# Altium PCB dcb_v2.PcbDoc (part 1 of 2)
Units mm, origin at the board's own origin, x right, y up, seen from the top; angles counter-clockwise.
Board outline 175 x 60 mm, 4 copper layers (Top Layer, Int1 (GND), Int2 (PWR), Bottom Layer), stack 1.369 mm thick; 165 components, 98 nets, 603 pads, 478 vias.
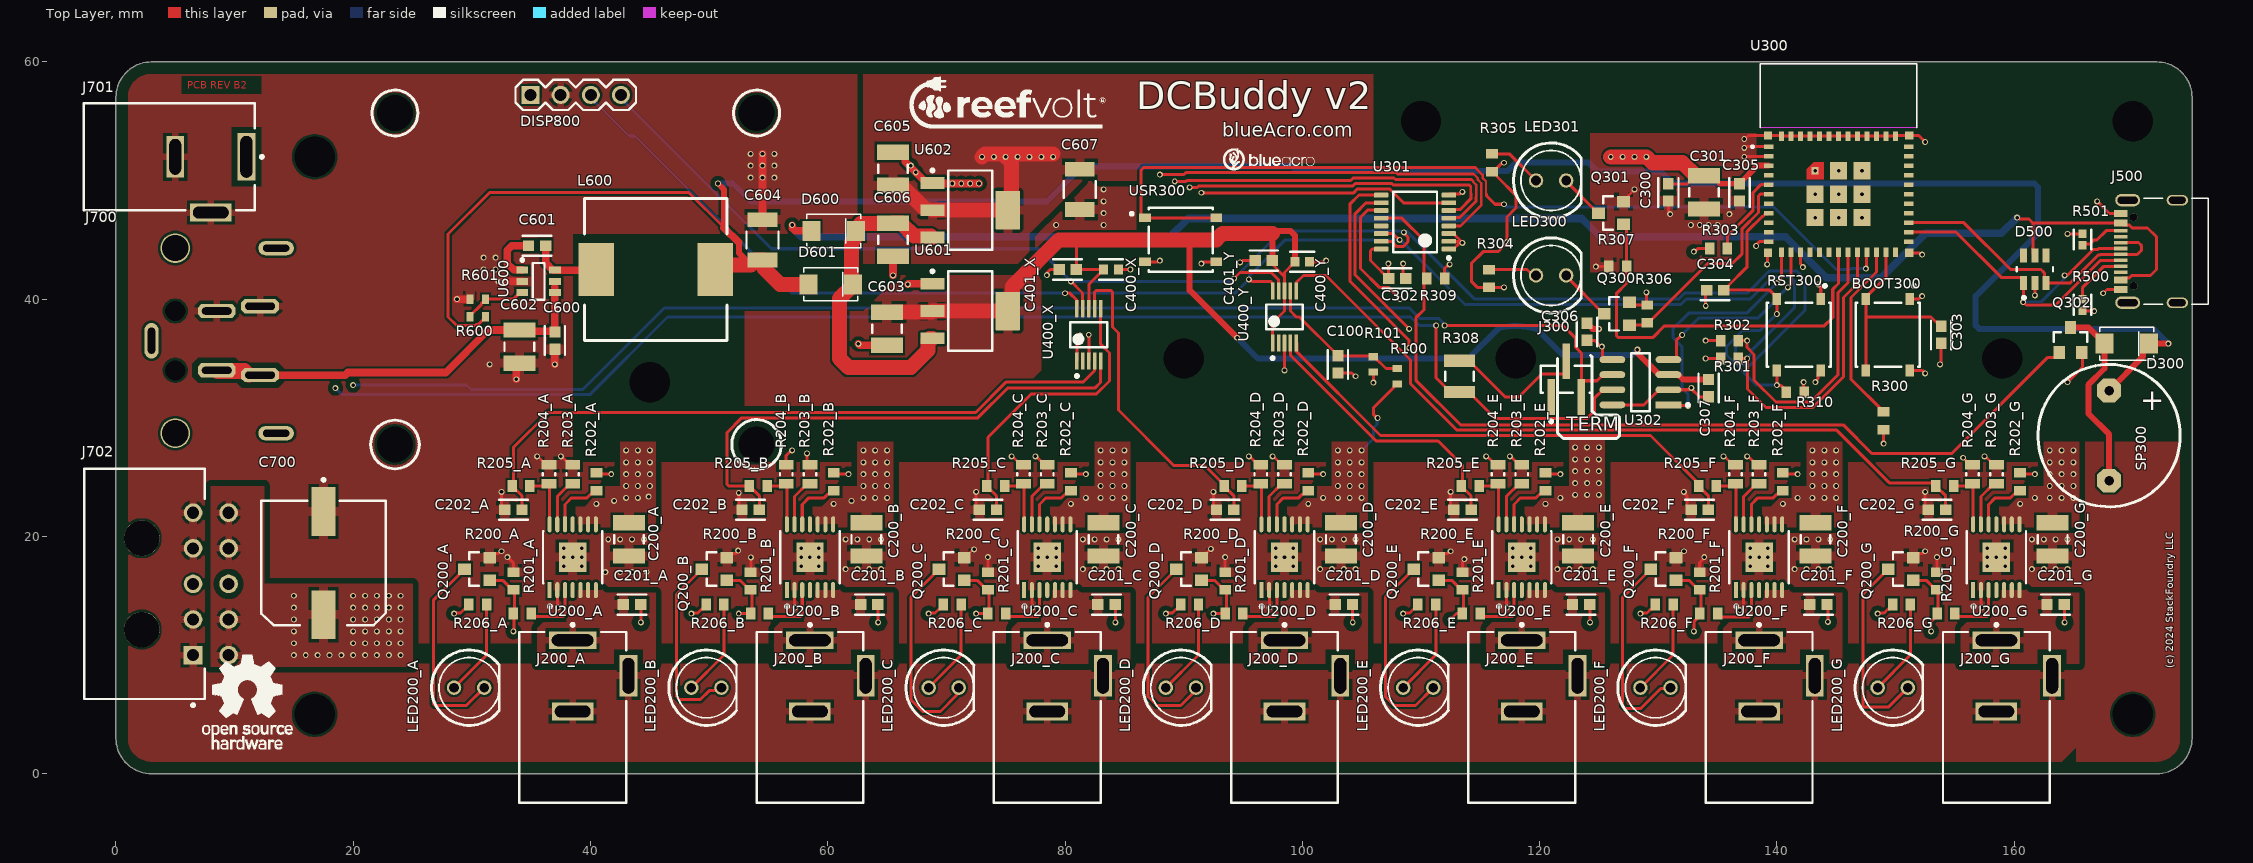
[diagram p0: Top Layer view]
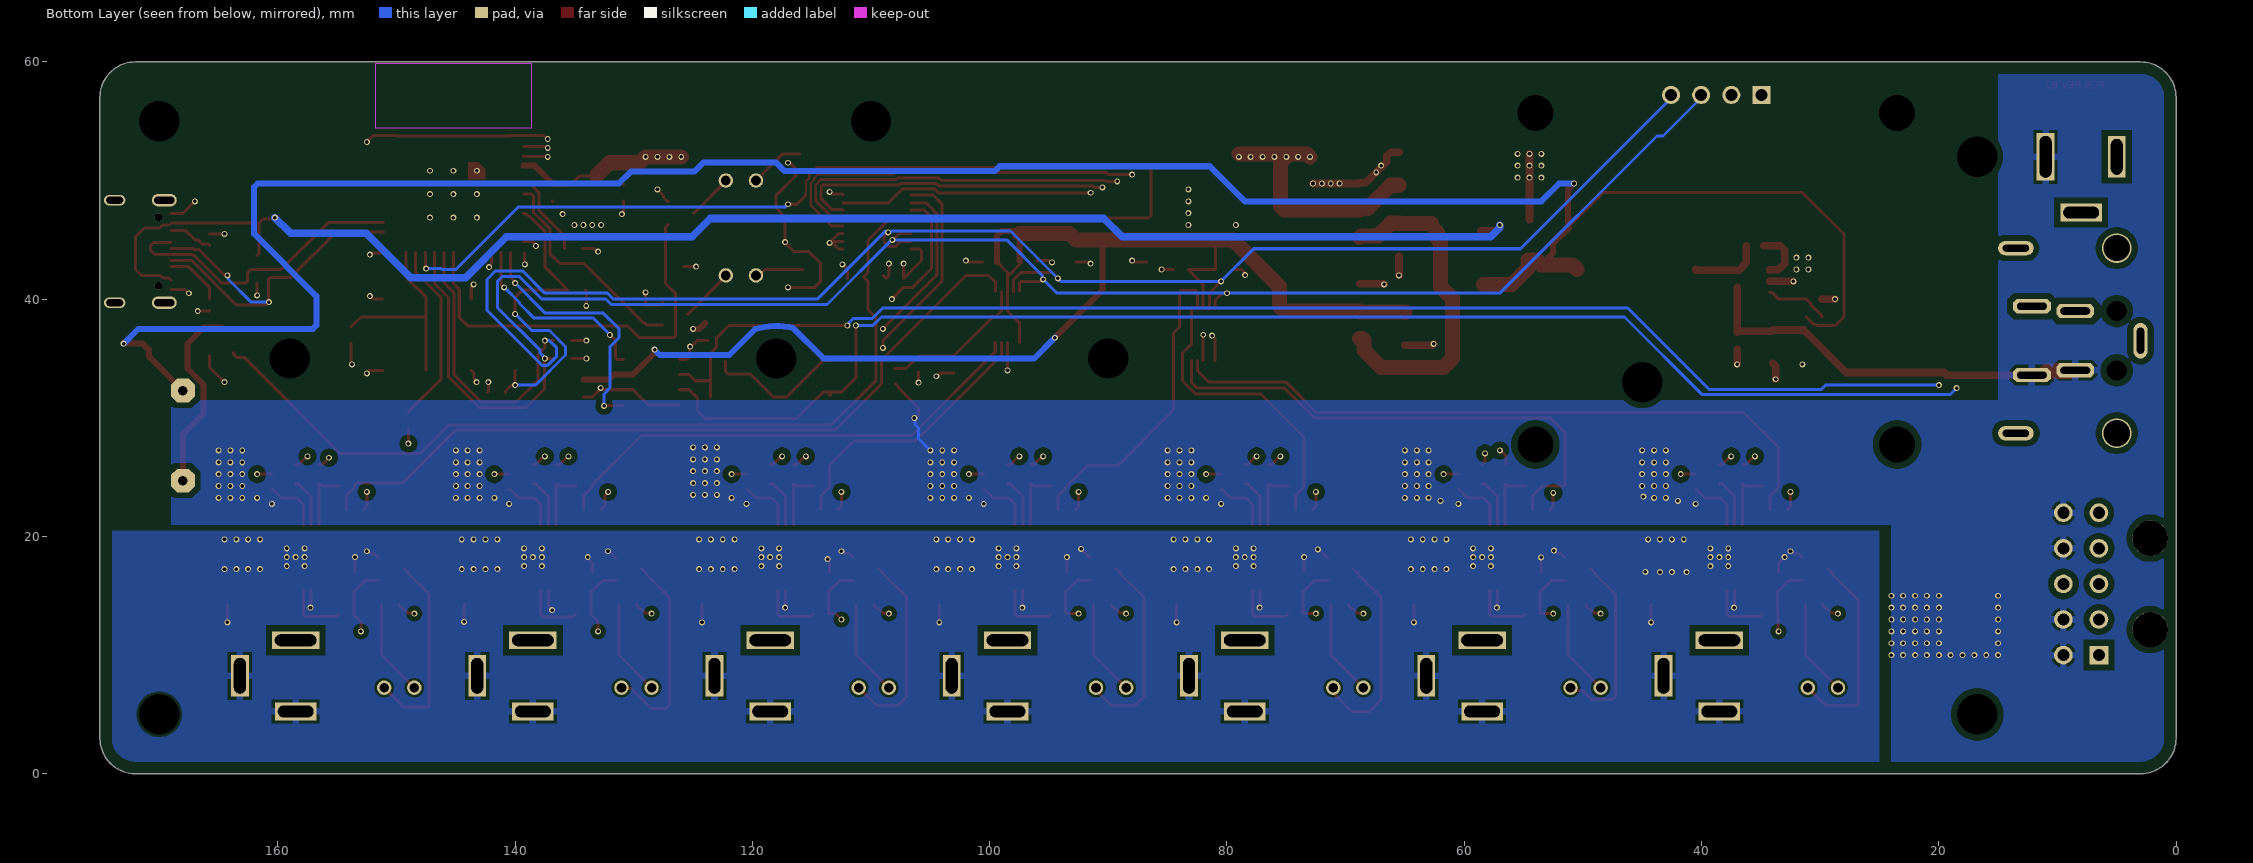
[diagram p1: Bottom Layer view, seen from below]
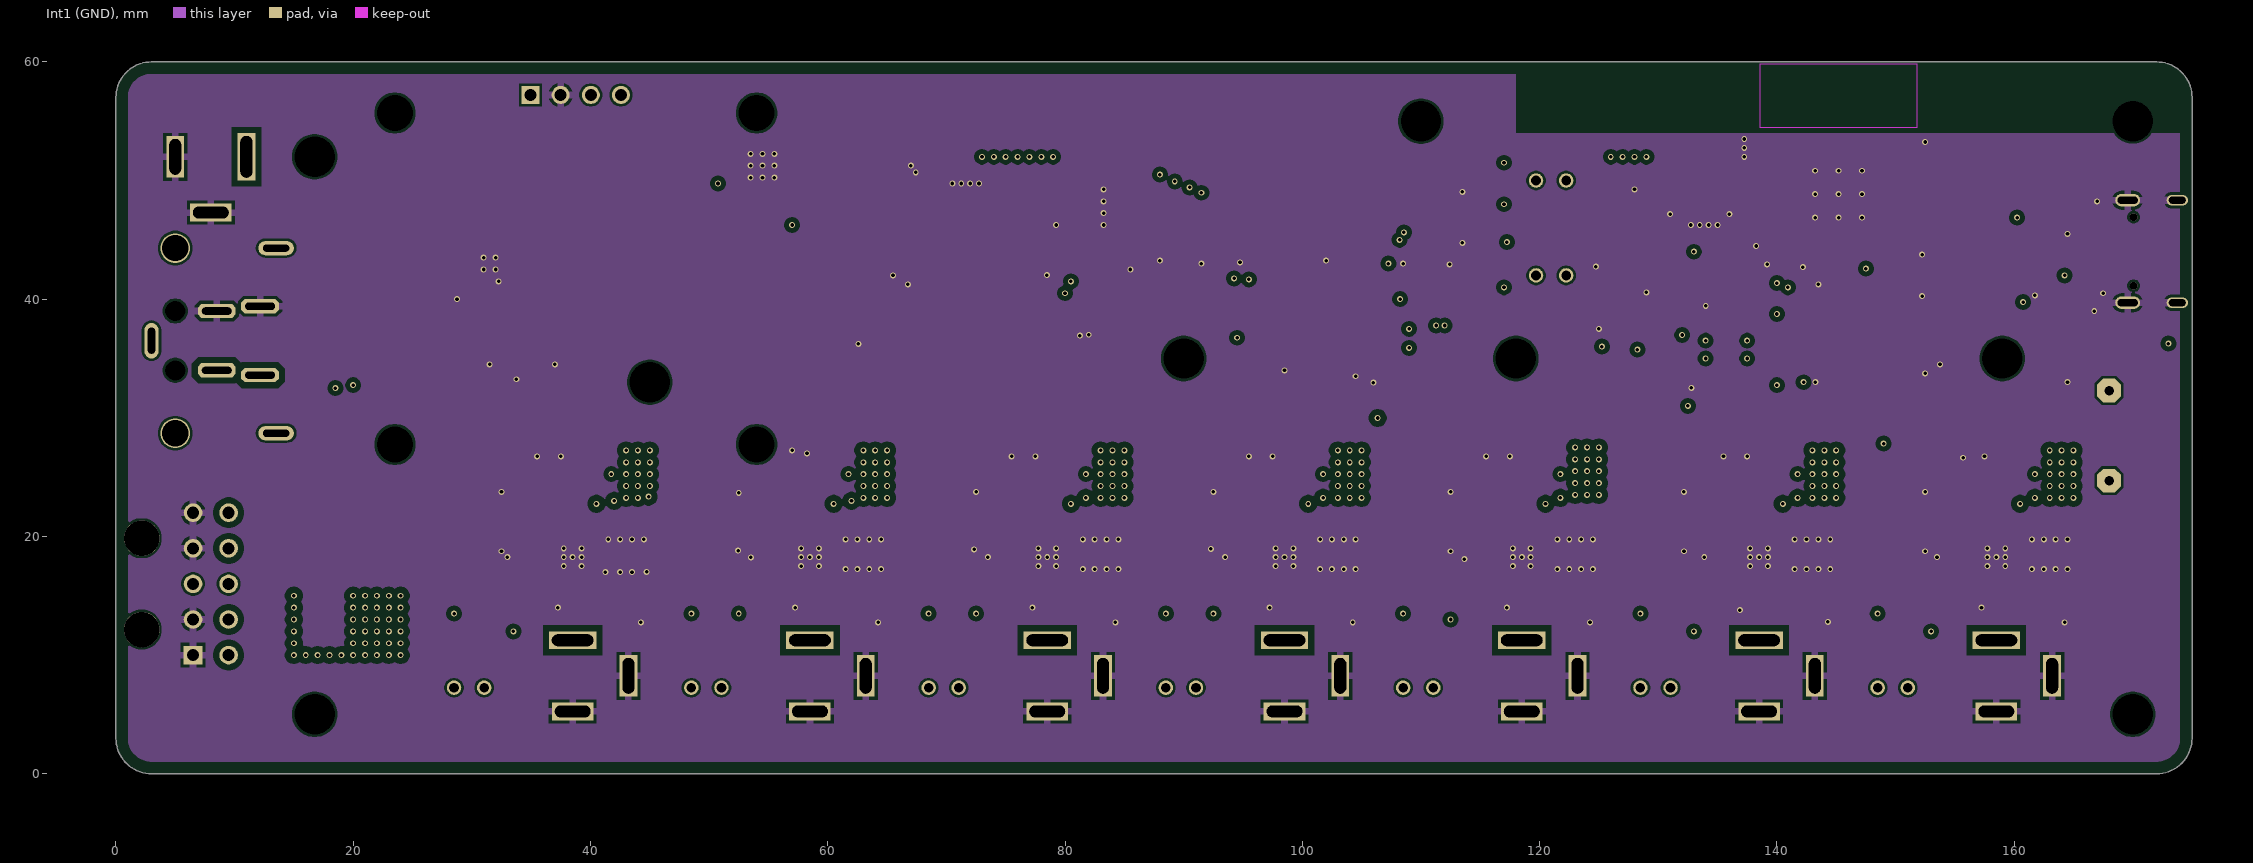
[diagram p2: Int1 (GND)]
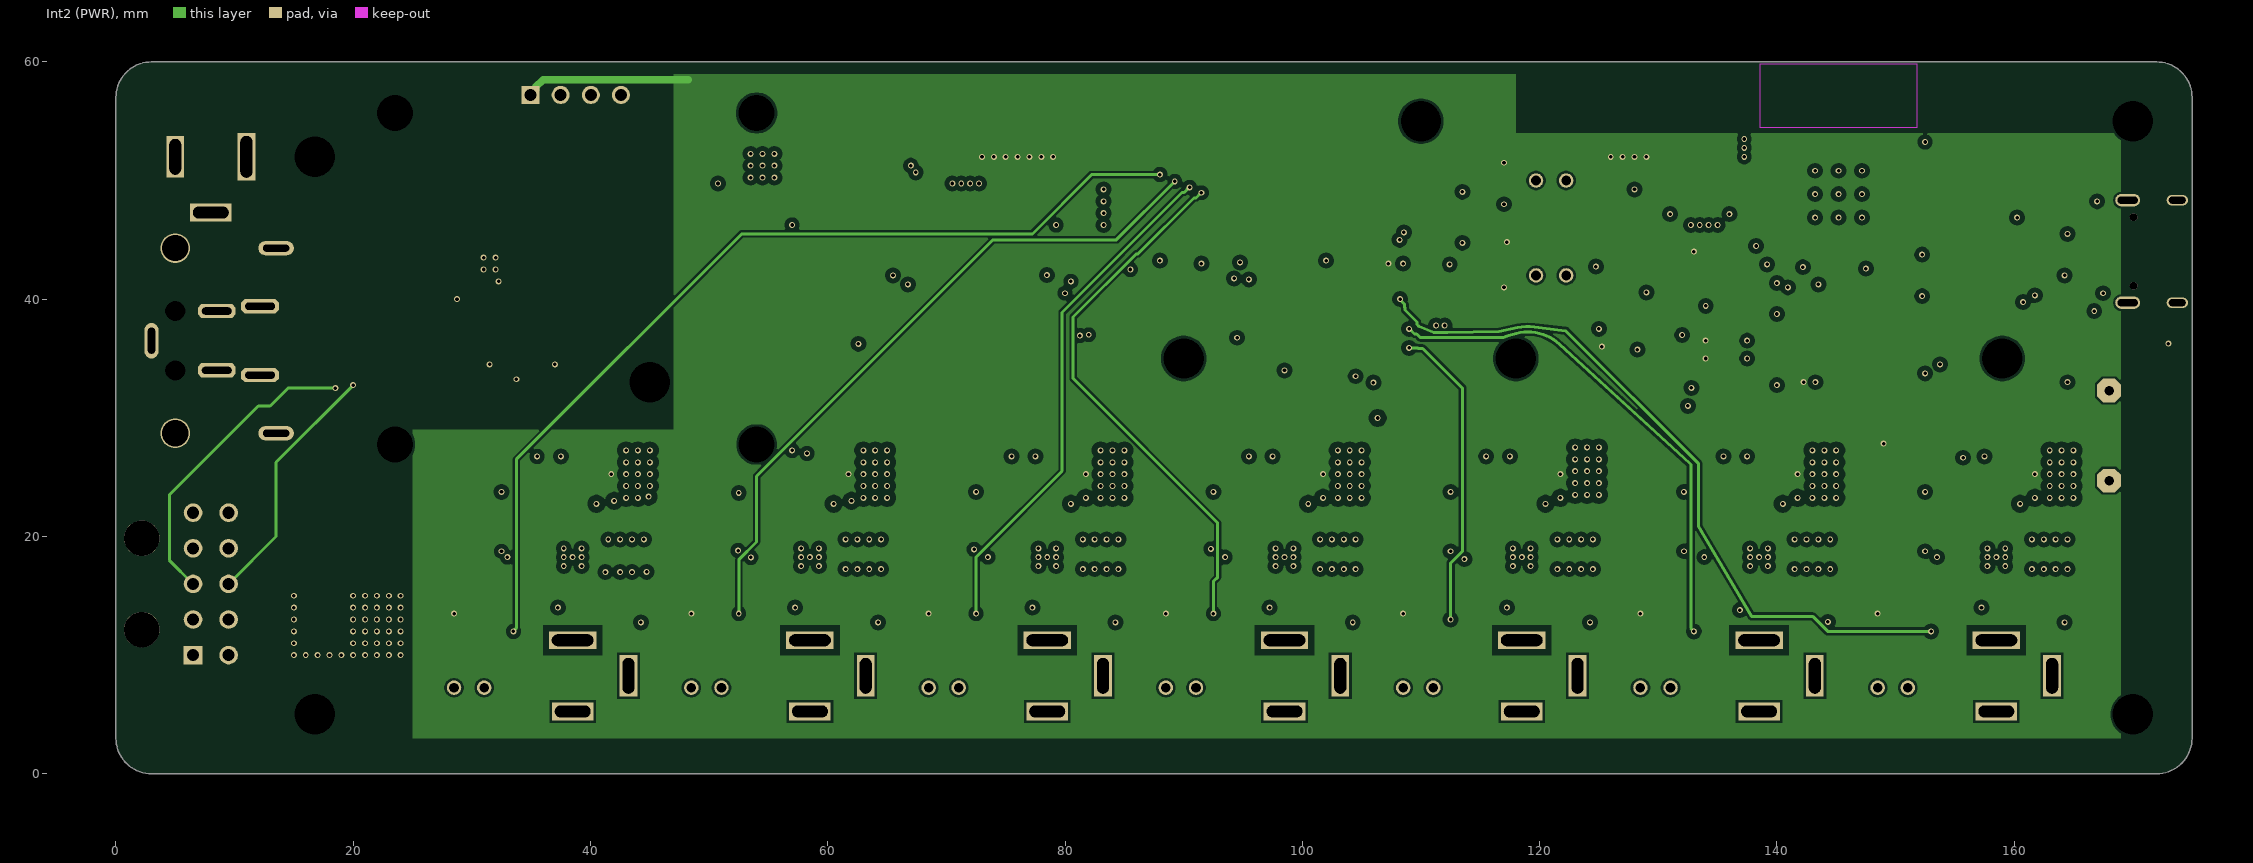
[diagram p3: Int2 (PWR)]
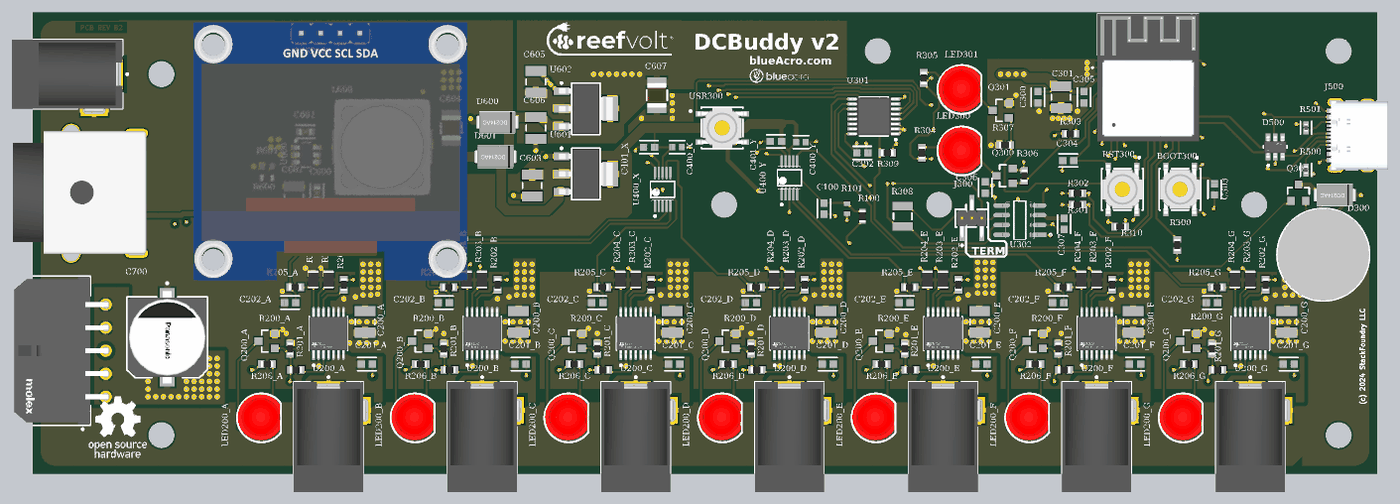
[diagram p5: 3D render of the assembled board from above, using the file's embedded part models]

## Layer stack, top to bottom
Top Solder: solder mask 0.0254, SM-001, Dk 4
Top Layer: signal copper 0.035
Dielectric 1: prepreg 0.1295, PP-017, Dk 4.3
Dielectric 2: prepreg 0.1295, PP-017, Dk 4.3
Int1 (GND): signal copper 0.035
Dielectric 3: core 0.7112, Core-039, Dk 4.8
Int2 (PWR): signal copper 0.035
Dielectric 4: prepreg 0.1295, PP-017, Dk 4.3
Dielectric 5: prepreg 0.1295, PP-017, Dk 4.3
Bottom Layer: signal copper 0.035
Bottom Solder: solder mask 0.0254, SM-001, Dk 4

## Board outline
0,3 ccw(c3,3) 3,0 172,0 ccw(c172,3) 175,3 175,57 ccw(c172,57) 172,60 3,60 ccw(c3,57) 0,57

## Design rules (kind name [scope] priority, off if disabled: settings)
BoardOutlineClearance [All] p1: gap=1.016 ignorepadtopadclearanceinfootprint=FALSE
Clearance Clearance_U600 [InNetClass('HV') vs WithinRoom('U_dcb_i2c_ext')] p1 off: gap=0.2 ignorepadtopadclearanceinfootprint=FALSE
Clearance Clearance_VIN [InNetClass('HV')] p2: gap=0.5 ignorepadtopadclearanceinfootprint=FALSE except(0.2: Track-Poly; 0.25: Arc-SMDPad Track-SMDPad SMDPad-SMDPad SMDPad-Via SMDPad-Fill SMDPad-Poly)
Clearance [All] p3: gap=0.2 ignorepadtopadclearanceinfootprint=FALSE except(0.4: Via-Poly; 0.5: Poly-Poly)
HoleSize [All] p1: absolutevalues=TRUE maxlimit=5 minlimit=0.025 maxpercent=80.000 minpercent=20.000
PolygonConnect [All] p1: thpad.connectstyle=Relief thpad.reliefconductorwidth=0.6 thpad.reliefentries=4 thpad.polygonreliefangle="90 Angle" thpad.airgapwidth=0.254 smdpad.connectstyle=Relief smdpad.reliefconductorwidth=0.8 smdpad.reliefentries=4 smdpad.polygonreliefangle="90 Angle" smdpad.airgapwidth=0.254 via.connectstyle=Direct via.reliefconductorwidth=0.254 via.reliefentries=4 via.polygonreliefangle="90 Angle" via.airgapwidth=0.254
RoomDefinition U_dcb_lite_logic [InComponentClass('U_dcb_lite_logic')] p1: confinementstyle=ConfineIn formatcopy=TRUE lockcomponents=FALSE outline 85,22 174.5,22 174.5,60.5 85,60.5
RoomDefinition Y [InComponentClass('Y')] p2: confinementstyle=ConfineIn formatcopy=TRUE lockcomponents=FALSE outline 94.94,42.04 94.94,44.46 98.56,44.46 98.56,44.355 101.46,44.355 101.46,41.947 100.854,41.947 100.854,34.342 96.146,34.342 96.146,42.04
RoomDefinition X [InComponentClass('X')] p3: confinementstyle=ConfineIn formatcopy=TRUE lockcomponents=FALSE outline 78.417,41.29 78.417,43.71 82.037,43.71 82.037,43.704 85.333,43.704 85.333,41.296 84.354,41.296 84.354,32.842 79.646,32.842 79.646,41.29
RoomDefinition G [InComponentClass('G')] p4: confinementstyle=ConfineIn formatcopy=TRUE lockcomponents=FALSE outline 146.214,3.694 146.214,10.806 148.493,10.806 148.493,19.053 151.69,19.053 151.69,23.46 152.221,23.46 152.221,25.529 155.421,25.529 155.421,26.829 159.579,26.829 159.579,26.529 161.779,26.529 161.779,22.329 165.129,22.329 165.129,15.46 165.31,15.46 165.31,13.04 164.329,13.04 164.329,-2.829 153.621,-2.829 153.621,3.694
RoomDefinition F [InComponentClass('F')] p5: confinementstyle=ConfineIn formatcopy=TRUE lockcomponents=FALSE outline 126.214,3.694 126.214,10.806 128.493,10.806 128.493,19.053 131.69,19.053 131.69,23.46 132.221,23.46 132.221,25.529 135.421,25.529 135.421,26.829 139.579,26.829 139.579,26.529 141.779,26.529 141.779,22.329 145.129,22.329 145.129,15.46 145.31,15.46 145.31,13.04 144.329,13.04 144.329,-2.829 133.621,-2.829 133.621,3.694
RoomDefinition E [InComponentClass('E')] p6: confinementstyle=ConfineIn formatcopy=TRUE lockcomponents=FALSE outline 106.214,3.694 106.214,10.806 108.493,10.806 108.493,19.053 111.69,19.053 111.69,23.46 112.221,23.46 112.221,25.529 115.421,25.529 115.421,26.829 119.579,26.829 119.579,26.529 121.779,26.529 121.779,22.329 125.129,22.329 125.129,15.46 125.31,15.46 125.31,13.04 124.329,13.04 124.329,-2.829 113.621,-2.829 113.621,3.694
RoomDefinition D [InComponentClass('D')] p7: confinementstyle=ConfineIn formatcopy=TRUE lockcomponents=FALSE outline 86.214,3.694 86.214,10.806 88.493,10.806 88.493,19.053 91.69,19.053 91.69,23.46 92.221,23.46 92.221,25.529 95.421,25.529 95.421,26.829 99.579,26.829 99.579,26.529 101.779,26.529 101.779,22.329 105.129,22.329 105.129,15.46 105.31,15.46 105.31,13.04 104.329,13.04 104.329,-2.829 93.621,-2.829 93.621,3.694
RoomDefinition C [InComponentClass('C')] p8: confinementstyle=ConfineIn formatcopy=TRUE lockcomponents=FALSE outline 66.214,3.694 66.214,10.806 68.493,10.806 68.493,19.053 71.69,19.053 71.69,23.46 72.221,23.46 72.221,25.529 75.421,25.529 75.421,26.829 79.579,26.829 79.579,26.529 81.779,26.529 81.779,22.329 85.129,22.329 85.129,15.46 85.31,15.46 85.31,13.04 84.329,13.04 84.329,-2.829 73.621,-2.829 73.621,3.694
RoomDefinition B [InComponentClass('B')] p9: confinementstyle=ConfineIn formatcopy=TRUE lockcomponents=FALSE outline 46.214,3.694 46.214,10.806 48.493,10.806 48.493,19.053 51.69,19.053 51.69,23.46 52.221,23.46 52.221,25.529 55.421,25.529 55.421,26.829 59.579,26.829 59.579,26.529 61.779,26.529 61.779,22.329 65.129,22.329 65.129,15.46 65.31,15.46 65.31,13.04 64.329,13.04 64.329,-2.829 53.621,-2.829 53.621,3.694
RoomDefinition A [InComponentClass('A')] p10: confinementstyle=ConfineIn formatcopy=TRUE lockcomponents=FALSE outline 26.214,3.694 26.214,10.806 28.493,10.806 28.493,19.053 31.69,19.053 31.69,23.46 32.221,23.46 32.221,25.529 35.421,25.529 35.421,26.829 39.579,26.829 39.579,26.529 41.779,26.529 41.779,22.329 45.129,22.329 45.129,15.46 45.31,15.46 45.31,13.04 44.329,13.04 44.329,-2.829 33.621,-2.829 33.621,3.694
RoomDefinition U_dcb_single_input [InComponentClass('U_dcb_single_input')] p11: confinementstyle=ConfineIn formatcopy=TRUE lockcomponents=FALSE outline -3.25,5.25 23.25,5.25 23.25,57 -3.25,57
RoomDefinition U_dcb_i2c_ext [InComponentClass('U_dcb_i2c_ext')] p12: confinementstyle=ConfineIn formatcopy=TRUE lockcomponents=FALSE outline 20.681,24.884 20.681,58.992 56.839,58.992 56.839,24.884
RoomDefinition U_usb_input [InComponentClass('U_usb_input')] p13: confinementstyle=ConfineIn formatcopy=TRUE lockcomponents=FALSE outline 159.771,39.617 159.771,44.725 164.66,44.725 164.66,46.412 167.901,46.412 167.901,49.395 176.879,49.395 176.879,38.647 166.84,38.647 166.84,38.131 164.66,38.131 164.66,39.617
RoomDefinition U_dcdc_60v_12v [InComponentClass('U_dcdc_60v_12v')] p14: confinementstyle=ConfineIn formatcopy=TRUE lockcomponents=FALSE outline 29.171,37.671 29.171,40.829 33.246,40.829 33.246,43.804 33.69,43.804 33.69,45.71 38.644,45.71 38.644,49.004 63.621,49.004 63.621,53.579 67.379,53.579 67.379,52.029 83.054,52.029 83.054,46.471 76.979,46.471 76.979,34.871 38.21,34.871 38.21,34.69 35.879,34.69 35.879,33.421 32.121,33.421 32.121,37.671
RoutingVias [All] p1: holewidth=0.3 width=0.5 viastyle="Through Hole" minholewidth=0.2 minwidth=0.5 maxholewidth=1 maxwidth=2
SolderMaskExpansion [All] p1: expansion=0.102 istentingtop=FALSE
SupplyNets "Schematic Supply Nets_5" [InNet('VIN')] p1: voltage=0.000
SupplyNets "Schematic Supply Nets_4" [InNet('3V3')] p2: voltage=0.000
SupplyNets "Schematic Supply Nets_3" [InNet('GND')] p3: voltage=0.000
SupplyNets "Schematic Supply Nets_2" [InNet('5V')] p4: voltage=0.000
SupplyNets "Schematic Supply Nets_1" [InNet('VBUS')] p5: voltage=0.000
SupplyNets "Schematic Supply Nets" [InNet('12V')] p6: voltage=0.000
Width [All] p1: maxlimit=1.27 minlimit=0.2 preferedwidth=0.254
29 further rules are at their usual default settings.

## Classes and differential pairs
net class HV: VIN VO_A VO_B VO_C VO_D VO_E VO_F VO_G
component class U_dcb_i2c_ext: DISP800
channel class dcb_single_channel: A B C D E F G
channel class dcb_lite_adc: X Y
component class U_usb_input: D500 J500 R500 R501
component class U_dcdc_60v_12v: C600 C601 C602 C603 C604 C605 C606 C607 D600 D601 L600 R600 R601 U600 U601 U602
component class U_dcb_single_input: C700 J700 J701 J702
component class U_dcb_lite_logic: BOOT300 C300 C301 C302 C303 C304 C305 C306 C307 D300 J300 LED300 LED301 Q300 Q301 Q302 R300 R301 R302 R303 R304 R305 R306 R307 R308 R309 R310 RST300 SP300 U300 U301 U302 USR300
component class dcb_top: C100 R100 R101
component class G: C200_G C201_G C202_G J200_G LED200_G Q200_G R200_G R201_G R202_G R203_G R204_G R205_G R206_G U200_G
component class F: C200_F C201_F C202_F J200_F LED200_F Q200_F R200_F R201_F R202_F R203_F R204_F R205_F R206_F U200_F
component class E: C200_E C201_E C202_E J200_E LED200_E Q200_E R200_E R201_E R202_E R203_E R204_E R205_E R206_E U200_E
component class D: C200_D C201_D C202_D J200_D LED200_D Q200_D R200_D R201_D R202_D R203_D R204_D R205_D R206_D U200_D
component class C: C200_C C201_C C202_C J200_C LED200_C Q200_C R200_C R201_C R202_C R203_C R204_C R205_C R206_C U200_C
component class B: C200_B C201_B C202_B J200_B LED200_B Q200_B R200_B R201_B R202_B R203_B R204_B R205_B R206_B U200_B
component class A: C200_A C201_A C202_A J200_A LED200_A Q200_A R200_A R201_A R202_A R203_A R204_A R205_A R206_A U200_A
component class Y: C400_Y C401_Y U400_Y
component class X: C400_X C401_X U400_X

## Components (designator, comment, footprint, x,y, rotation, side; value= is the part's Value field where it differs from the comment)
BOOT300 "PTS526SK15SMTR2LFS" FP-PTS526SK15SMTR2LFS-MFG 149.35,37 r270 top
C100 "CAP 1uF 10V X7R 0603" FP-CL10-IPC_B 103,34.5 r270 top
C200_A "CAP 4.7uF 50V X7R 1210" CAPC3225X20N 43.25,19.75 r90 top value=4.7uF (schematic designator C200)
C200_B "CAP 4.7uF 50V X7R 1210" CAPC3225X20N 63.25,19.75 r90 top value=4.7uF (schematic designator C200)
C200_C "CAP 4.7uF 50V X7R 1210" CAPC3225X20N 83.25,19.75 r90 top value=4.7uF (schematic designator C200)
C200_D "CAP 4.7uF 50V X7R 1210" CAPC3225X20N 103.25,19.75 r90 top value=4.7uF (schematic designator C200)
C200_E "CAP 4.7uF 50V X7R 1210" CAPC3225X20N 123.25,19.75 r90 top value=4.7uF (schematic designator C200)
C200_F "CAP 4.7uF 50V X7R 1210" CAPC3225X20N 143.25,19.75 r90 top value=4.7uF (schematic designator C200)
C200_G "CAP 4.7uF 50V X7R 1210" CAPC3225X20N 163.25,19.75 r90 top value=4.7uF (schematic designator C200)
C201_A "CAP 0.1uF 50V X7R 0603" FP-CL10-IPC_B 43.5,14.25 r0 top value=0.1uF (schematic designator C201)
C201_B "CAP 0.1uF 50V X7R 0603" FP-CL10-IPC_B 63.5,14.25 r0 top value=0.1uF (schematic designator C201)
C201_C "CAP 0.1uF 50V X7R 0603" FP-CL10-IPC_B 83.5,14.25 r0 top value=0.1uF (schematic designator C201)
C201_D "CAP 0.1uF 50V X7R 0603" FP-CL10-IPC_B 103.5,14.25 r0 top value=0.1uF (schematic designator C201)
C201_E "CAP 0.1uF 50V X7R 0603" FP-CL10-IPC_B 123.5,14.25 r0 top value=0.1uF (schematic designator C201)
C201_F "CAP 0.1uF 50V X7R 0603" FP-CL10-IPC_B 143.5,14.25 r0 top value=0.1uF (schematic designator C201)
C201_G "CAP 0.1uF 50V X7R 0603" FP-CL10-IPC_B 163.5,14.25 r0 top value=0.1uF (schematic designator C201)
C202_A "CAP 0.1uF 50V X7R 0603" FP-CL10-IPC_B 33.5,22.25 r180 top value=0.1uF (schematic designator C202)
C202_B "CAP 0.1uF 50V X7R 0603" FP-CL10-IPC_B 53.5,22.25 r180 top value=0.1uF (schematic designator C202)
C202_C "CAP 0.1uF 50V X7R 0603" FP-CL10-IPC_B 73.5,22.25 r180 top value=0.1uF (schematic designator C202)
C202_D "CAP 0.1uF 50V X7R 0603" FP-CL10-IPC_B 93.5,22.25 r180 top value=0.1uF (schematic designator C202)
C202_E "CAP 0.1uF 50V X7R 0603" FP-CL10-IPC_B 113.5,22.25 r180 top value=0.1uF (schematic designator C202)
C202_F "CAP 0.1uF 50V X7R 0603" FP-CL10-IPC_B 133.5,22.25 r180 top value=0.1uF (schematic designator C202)
C202_G "CAP 0.1uF 50V X7R 0603" FP-CL10-IPC_B 153.5,22.25 r180 top value=0.1uF (schematic designator C202)
C300 "CAP 0.1uF 50V X7R 0603" FP-CL10-IPC_B 130.85,49 r270 top value=0.1uF
C301 "CAP 4.7uF 50V X7R 1210" CAPC3225X20N 133.85,49 r90 top value=4.7uF
C302 "CAP 1uF 10V X7R 0603" FP-CL10-IPC_B 108,41.75 r0 top
C303 "CAP 0.1uF 50V X7R 0603" FP-CL10-IPC_B 153.85,37 r270 top value=0.1uF
C304 "CAP 1uF 10V X7R 0603" FP-CL10-IPC_B 134.806,40.758 r180 top
C305 "CAP 0.1uF 50V X7R 0603" FP-CL10-IPC_B 136.85,49 r270 top value=0.1uF
C306 "CAP 0.1uF 50V X7R 0603" FP-CL10-IPC_B 124,37.25 r90 top value=0.1uF
C307 "CAP 0.1uF 50V X7R 0603" FP-CL10-IPC_B 134.25,32.5 r270 top value=0.1uF
C400_X "CAP 4.7uF 0603 6.3V X7R" FP-CL10-IPC_C 83.873,42.5 r0 top value=4.7uF (schematic designator C400)
C400_Y "CAP 4.7uF 0603 6.3V X7R" FP-CL10-IPC_C 100,43.151 r0 top value=4.7uF (schematic designator C400)
C401_X "CAP 0.1uF 50V X7R 0603" FP-CL10-IPC_B 80.227,42.5 r180 top value=0.1uF (schematic designator C401)
C401_Y "CAP 0.1uF 50V X7R 0603" FP-CL10-IPC_B 96.75,43.25 r180 top value=0.1uF (schematic designator C401)
C600 "CAP 0.1uF 50V X7R 0603" FP-CL10-IPC_B 37,36.5 r90 top value=0.1uF
C601 "CAP 0.1uF 50V X7R 0603" FP-CL10-IPC_B 35.5,44.5 r0 top value=0.1uF
C602 "CAP 4.7uF 50V X7R 1210" CAPC3225X20N 34,36 r90 top value=4.7uF
C603 "CAP 4.7uF 50V X7R 1210" CAPC3225X20N 65,37.5 r90 top value=4.7uF
C604 "CAP 22uF 25V 1210 X7R" FP-1210-L_3_2_0_3-W_2_5_0-MFG 54.5,45 r90 top value=22uF
C605 "CAP 4.7uF 50V X7R 1210" CAPC3225X20N 65.5,51 r270 top value=4.7uF
C606 "CAP 4.7uF 50V X7R 1210" CAPC3225X20N 65.5,45 r90 top value=4.7uF
C607 "CAP 22uF 25V 1210 X7R" FP-1210-L_3_2_0_3-W_2_5_0-MFG 81.25,49.25 r270 top value=22uF
C700 "CAP 56uF 63V Poly 10mm" FP-FKG-MFG 17.5,17.75 r270 top value=56uF
D300 "SS14" SMA 169.5,36.25 r180 top
D500 "USBLC6-4SC6" FP-SOT23-6L-MFG 161.75,42.521 r90 top value=4pF
D600 "SS14" SMA 60.5,45.75 r180 top